# Altium PCB 云达诺CAT.1有磁阀控水表.PcbDoc (part 1 of 2)
Units mm, origin at the board's own origin, x right, y up, seen from the top; angles counter-clockwise.
Board outline 60.8 x 33.34 mm, 2 copper layers (Top Layer, Bottom Layer), stack 1.535 mm thick; 120 components, 89 nets, 436 pads, 260 vias.
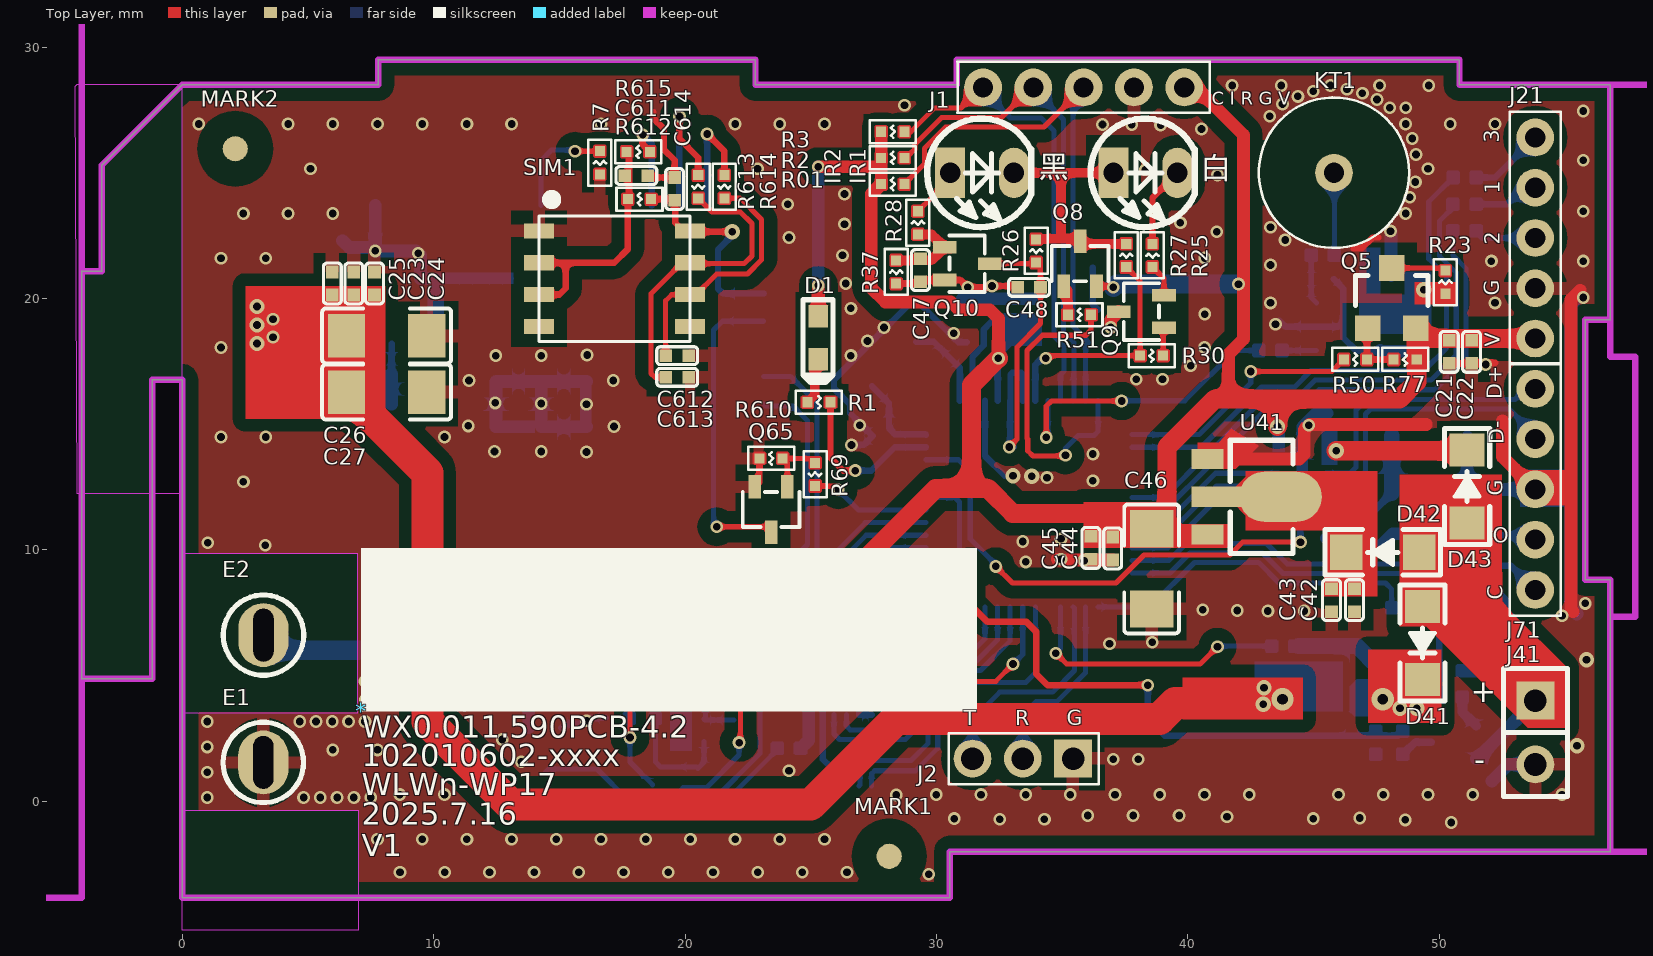
[diagram p0: Top Layer view]
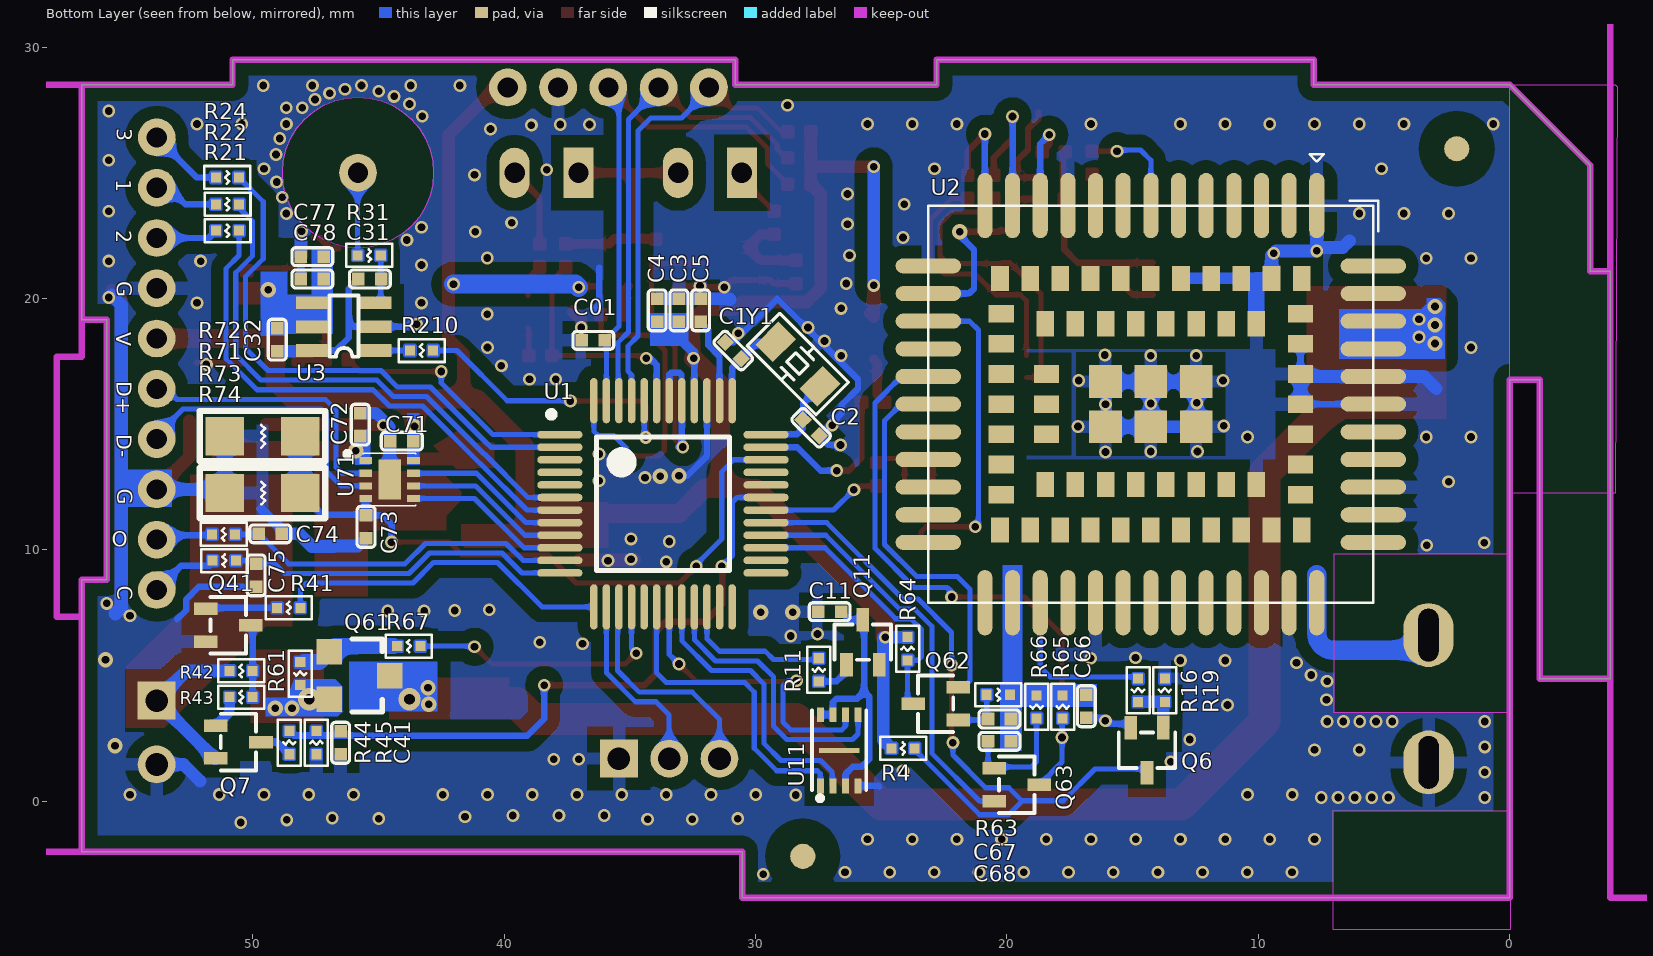
[diagram p1: Bottom Layer view, seen from below]
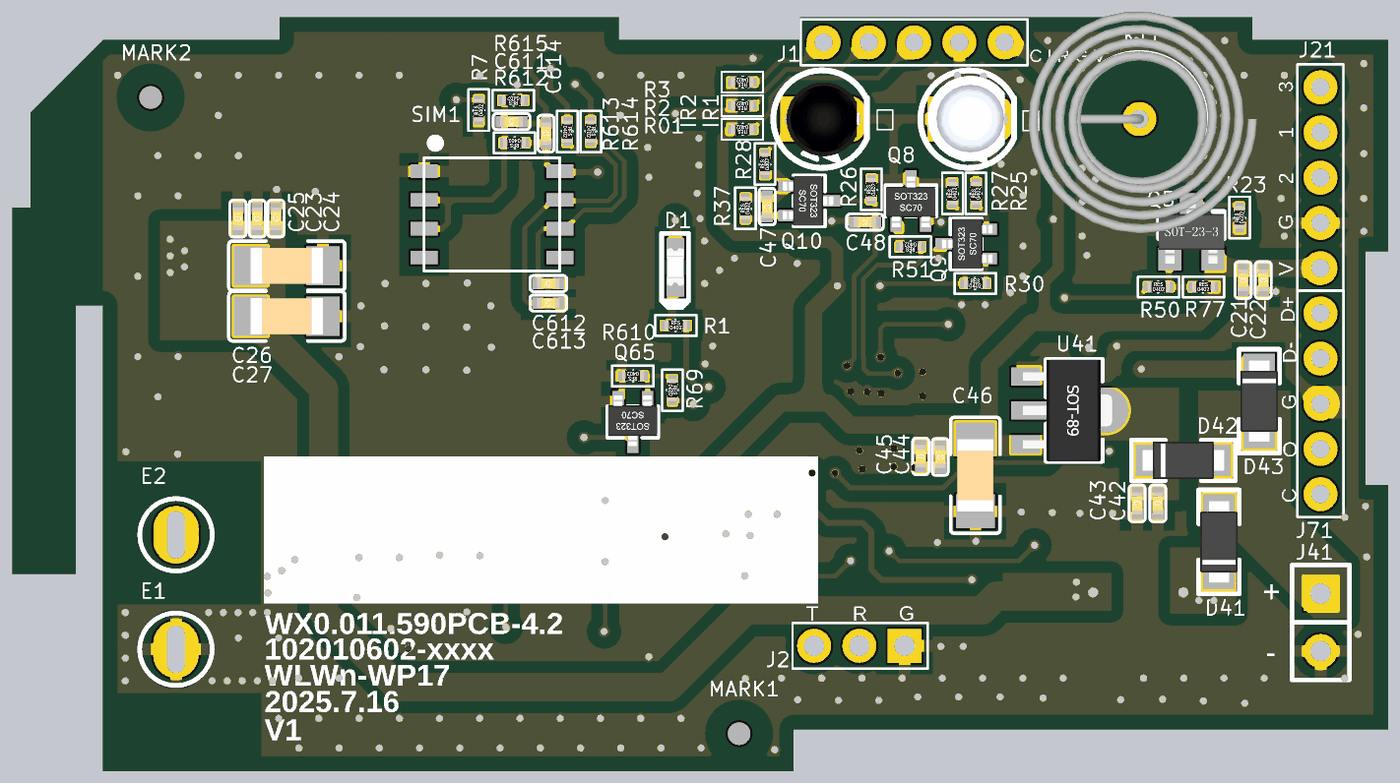
[diagram p3: 3D render of the assembled board from above, using the file's embedded part models]
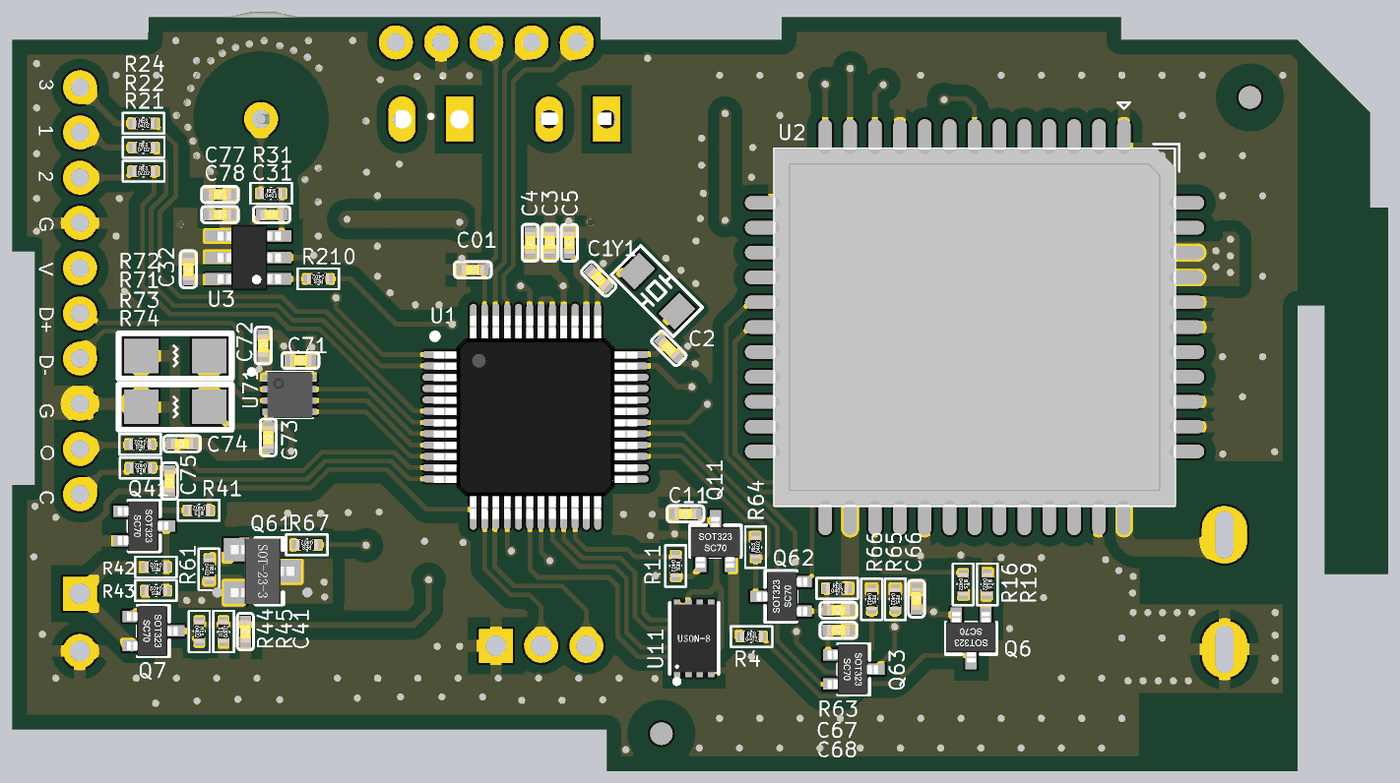
[diagram p4: 3D render of the assembled board from below, using the file's embedded part models]

## Layer stack, top to bottom
Top Solder: solder mask 0.0325, Solder Resist, Dk 3.5
Top Layer: signal copper 0.035
Dielectric 1: dielectric 1.465, FR-4, Dk 4.8
Bottom Layer: signal copper 0.035
Bottom Solder: solder mask 0.0325, Solder Resist, Dk 3.5

## Board outline
-4,4.877 -1.2,4.877 -1.2,16.764 0,16.764 0,-3.835 30.531,-3.835 30.531,-2 56.8,-2 56.8,8.814 55.8,8.814 55.8,19.152 56.8,19.152 56.8,28.5 50.8,28.5 50.8,29.5 30.8,29.5 30.8,28.5 22.8,28.5 22.8,29.5 7.8,29.5 7.8,28.5 0,28.5 -3.2,25.3 -3.2,21.082 -4,21.082

## Design rules (kind name [scope] priority, off if disabled: settings)
Clearance VIA-VIA [ISVIA vs ISVIA] p1: gap=0.508 ignorepadtopadclearanceinfootprint=FALSE except(0: Arc-Hole Track-Hole SMDPad-Hole THPad-Hole Via-Hole Fill-Hole Poly-Hole Region-Hole Text-Hole)
Clearance VIA-PAD [ISVIA vs ISPAD] p2: gap=0.381 ignorepadtopadclearanceinfootprint=FALSE except(0: Arc-Hole Track-Hole SMDPad-Hole THPad-Hole Via-Hole Fill-Hole Poly-Hole Region-Hole Text-Hole)
Clearance VIA-TRACK [ISVIA vs ISTRACK] p3: gap=0.381 ignorepadtopadclearanceinfootprint=FALSE except(0: Arc-Hole Track-Hole SMDPad-Hole THPad-Hole Via-Hole Fill-Hole Poly-Hole Region-Hole Text-Hole)
Clearance Polygon [InPolygon] p4: gap=0.508 ignorepadtopadclearanceinfootprint=FALSE except(0: Arc-Hole Track-Hole SMDPad-Hole THPad-Hole Via-Hole Fill-Hole Poly-Hole Region-Hole Text-Hole)
Clearance [All] p5: gap=0.178 ignorepadtopadclearanceinfootprint=FALSE except(0: Arc-Hole Track-Hole SMDPad-Hole THPad-Hole Via-Hole Fill-Hole Poly-Hole Region-Hole Text-Hole)
ComponentClearance [All] p1 off: gap=0.254 collisioncheckmode=3 verticalgap=0.254 showdistances=FALSE
DiffPairsRouting [All] p1: maxlimit=0.203 minlimit=0.203 mostfreqgap=0.203 toplayer_minwidth=0.22 toplayer_maxwidth=0.22 toplayer_prefwidth=0.22 bottomlayer_minwidth=0.22 bottomlayer_maxwidth=0.22 bottomlayer_prefwidth=0.22 maxuncoupledlength=12.7
FabricationTestPointUsage TestPointUsage [All] p1: valid=0 allowmultiple=FALSE
FabricationTestpoint Testpoint [(IsPad And (OnTopLayer Or OnBottomLayer))] p1: side=3 testpointundercomponent=TRUE minsize=1.016 maxsize=2.54 preferedsize=1.524 minholesize=0 maxholesize=1.016 preferedholesize=0.813 testpointgrid=0.025 allowsidetop=TRUE allowsidebottom=TRUE usegrid=TRUE gridtolerance=0
HoleSize [All] p1 off: absolutevalues=TRUE maxlimit=7.62 minlimit=0 maxpercent=80.000 minpercent=20.000
HoleToHoleClearance [All] p1 off: gap=0.254 allowstackedmicrovias=TRUE
LayerPairs [All] p1 off: enforce=TRUE
MatchedLengths DiffPair_MatchedLengths [InDifferentialPair ('NewDifferentialPair1')] p1: tolerance=25.4 checknetsindiffpair=TRUE checkdiffpairvsdiffpair=FALSE checkxsignals=FALSE checkothers=FALSE
MinimumSolderMaskSliver [All] p1 off: minsoldermaskwidth=0.254
NetAntennae [All] p1 off: netantennaetolerance=0
PlaneConnect [All] p1: planeconnectstyle=Relief reliefexpansion=0.508 reliefentries=4 reliefconductorwidth=0.508 reliefairgap=0.254
PolygonConnect [isvia] p1: connectstyle=Direct reliefconductorwidth=0.381 reliefentries=4 polygonreliefangle="90 Angle" airgapwidth=0.254
PolygonConnect PolygonConnect_1 [All] p2: connectstyle=Relief reliefconductorwidth=0.508 reliefentries=4 polygonreliefangle="90 Angle" airgapwidth=0.508
RoutingVias [All] p1: holewidth=0.254 width=0.508 viastyle="Through Hole" minholewidth=0.127 minwidth=0.127 maxholewidth=1.27 maxwidth=2.54
SilkToBoardRegionClearance [All] p1 off:
SilkToSilkClearance [All] p1 off: silktosilkclearance=0.254
SilkToSolderMaskClearance [IsPad] p1 off: minsilkscreentomaskgap=0.254 clearancetoexposedcopper=TRUE
SolderMaskExpansion [All] p1: expansion=0.102
Width [All] p1: maxlimit=7.62 minlimit=0.203 preferedwidth=0.203
17 further rules are at their usual default settings.

## Components (designator, comment, footprint, x,y, rotation, side; value= is the part's Value field where it differs from the comment)
* "Bar Code1" "BAR CODE1" 7.112,3.581 r0 top
C1 "22pF/50V" CAP0402 30.886,17.932 r45 bottom
C01 "100nF/50V" CAP0402 36.449,18.339 r0 bottom
C2 "22pF/50V" CAP0402 27.788,14.859 r225 bottom
C3 "100nF" CAP0402 33.045,19.533 r90 bottom
C4 "10UF" CAP0402 33.909,19.533 r90 bottom
C5 "100nF" CAP0402 32.182,19.533 r90 bottom
C11 "100nF/50V" CAP0402 27.051,7.544 r0 bottom
C21 "100nF/50V" CAP0402 50.394,17.882 r270 top
C22 "1uF/16V" CAP0402 51.283,17.882 r270 top
C23 "22pF/50V" CAP0402 6.823,20.599 r90 top
C24 "100pF/50V" CAP0402 7.645,20.599 r90 top
C25 "100nF/50V" CAP0402 5.969,20.599 r90 top
C26 "100uF/6.3V" GRM1206 8.128,18.517 r270 top
C27 "100uF/6.3V" GRM1206 8.128,16.281 r270 top
C31 "5pF" CAP0402 45.339,20.777 r0 bottom
C32 "100nF/50V" CAP0402 49.022,18.364 r90 bottom
C41 "10pF/50V" CAP0402 46.502,2.332 r270 bottom
C42 "10uF/10V" CAP0402 46.624,8.005 r270 top
C43 "100nF/50V" CAP0402 45.71,8.005 r270 top
C44 "10uF/10V" CAP0402 37.008,10.058 r270 top
C45 "100nF/50V" CAP0402 36.144,10.084 r270 top
C46 "100uF/10V" GRM1206 38.557,9.246 r180 top
C47 "10pF/50V" CAP0402 29.362,21.133 r270 top
C48 "100pF/50V" CAP0402 33.68,20.447 r180 top
C66 "1uF/16V" CAP0402 16.84,3.785 r270 bottom
C67 "1nF/50V" CAP0402 20.295,3.277 r0 bottom
C68 "1nF/50V" CAP0402 20.295,2.388 r180 bottom
C71 "100nF/50V" CAP0402 44.069,14.326 r0 bottom
C72 "100nF/50V" CAP0402 45.72,14.986 r270 bottom
C73 "10nF" CAP0402 45.491,10.922 r90 bottom
C74 "10nF" CAP0402 49.301,10.643 r0 bottom
C75 "10nF" CAP0402 49.86,8.992 r270 bottom
C77 "1uF/16V" CAP0402 47.625,21.666 r0 bottom
C78 "100pF/50V" CAP0402 47.625,20.777 r0 bottom
C611 "33pF/50V" CAP0402 18.059,24.892 r0 top
C612 "33pF/50V" CAP0402 19.685,17.729 r0 top
C613 "33pF/50V" CAP0402 19.685,16.866 r0 top
C614 "100nF/50V" CAP0402 19.583,24.359 r270 top
D1 "LED" LED-SMD-0603 25.3,19.29 r270 top locked
D41 "DS36W" SOD-123FL 49.327,7.823 r270 top
D42 "DS12W" SOD-123FL 49.276,9.906 r180 top
D43 "DS12W" SOD-123FL 51.105,10.998 r90 top
E1 "ANTENNA" ANT-1 3.226,1.549 r90 top
E2 "" ANT-1 3.231,6.613 r90 top
IR1 "AT203" IR_254_532_300 37.04,25 r90 top locked
IR2 "AT403" IR_254_532_300_RX 30.54,25 r90 top locked
J1 "SWD" J_DIP_2.0_1*05_H 39.853,28.397 r180 top
J2 "DEBUG" PIN254_1*3*WXHJ 35.433,1.702 r180 top
J21 "PIN254_1*5*1100S" J_DIP_2.0_1*05_H 53.813,18.409 r90 top locked
J41 "VBAT" PIN254_1*2*1200S 53.821,4.009 r270 top locked
J71 "PIN254_1*5*1100S" J_DIP_2.0_1*05_H 53.814,16.409 r270 top locked
KT1 "KEY" ANT-DIP 45.81,25.005 r0 top locked
MARK1 "" MARK 28.118,-2.184 r90 top
MARK2 "" MARK 2.108,25.959 r90 top
Q5 "UT3401ZG" SOT-23 48.108,20.015 r0 top
Q6 "NPNS-9013" SOT-323-3_L2.0-W1.3-P1.30-LS2.1-BR 14.427,2.032 r90 bottom
Q7 "PNPS-9012" SOT-323-3_L2.0-W1.3-P1.30-LS2.1-BR 50.566,2.357 r0 bottom
Q8 "PNPS-9012" SOT-323-3_L2.0-W1.3-P1.30-LS2.1-BR 35.712,21.387 r270 top
Q9 "PNPS-9012" SOT-323-3_L2.0-W1.3-P1.30-LS2.1-BR 38.151,19.482 r0 top
Q10 "NPNS-9013" SOT-323-3_L2.0-W1.3-P1.30-LS2.1-BR 31.217,21.387 r180 top
Q11 "PNPS-9012" SOT-323-3_L2.0-W1.3-P1.30-LS2.1-BR 25.73,6.333 r270 bottom
Q41 "NPNS-9013" SOT-323-3_L2.0-W1.3-P1.30-LS2.1-BR 50.973,7.006 r0 bottom
Q61 "UT3401ZG" SOT-23 45.745,5.004 r270 bottom
Q62 "NPNS-9013" SOT-323-3_L2.0-W1.3-P1.30-LS2.1-BR 22.835,3.886 r180 bottom
Q63 "NPNS-9013" SOT-323-3_L2.0-W1.3-P1.30-LS2.1-BR 19.609,0.66 r0 bottom
Q65 "NPNS-9013" SOT-323-3_L2.0-W1.3-P1.30-LS2.1-BR 23.419,11.608 r90 top
R1 "1K 5%" RES0402 25.324,15.875 r0 top
R01 "10K 5%" RES0402 28.26,24.552 r180 top
R2 "4.7K" RES0402 28.26,25.593 r180 top
R3 "4.7K" RES0402 28.26,26.635 r180 top
R4 "10K 5%" RES0402 24.13,2.108 r180 bottom
R7 "4.7K 5%" RES0402 16.612,25.4 r90 top
R11 "3K 5%" RES0402 27.483,5.232 r270 bottom
R16 "4.7K 5%" RES0402 14.783,4.42 r270 bottom
R19 "47K 5%" RES0402 13.716,4.42 r270 bottom
R21 "100R 5%" RES0402 51,22.701 r180 bottom
R22 "100R 5%" RES0402 51,23.749 r180 bottom
R23 "10R" RES0402 50.241,20.65 r90 top
R24 "100R 5%" RES0402 51.006,24.816 r180 bottom
R25 "100R 5%" RES0402 38.589,21.714 r90 top
R26 "20K 5%" RES0402 33.96,21.895 r90 top
R27 "20K 5%" RES0402 37.548,21.714 r90 top
R28 "20K 5%" RES0402 29.261,23.012 r90 top
R30 "3K 5%" RES0402 38.557,17.729 r0 top
R31 "1K/5%" RES0402 45.364,21.717 r180 bottom
R37 "47K 5%" RES0402 28.397,21.057 r90 top
R41 "4.7K 5%" RES0402 48.565,7.696 r0 bottom
R42 "10K 5%" RES0402 50.459,5.187 r0 bottom
R43 "10K 5%" RES0402 50.459,4.146 r0 bottom
R44 "20K 1%" RES0402 48.541,2.335 r270 bottom
R45 "10K 1%" RES0402 47.467,2.335 r90 bottom
R50 "200K 5%" RES0402 46.66,17.577 r0 top
R51 "3K 5%" RES0402 35.687,19.355 r180 top
R61 "2M 5%" RES0402 48.108,5.08 r270 bottom
R63 "4.7K 5%" RES0402 20.345,4.242 r180 bottom
R64 "4.7K 5%" RES0402 23.952,6.071 r90 bottom
R65 "4.7K/5%" RES0402 17.78,3.759 r270 bottom
R66 "4.7K 5%" RES0402 18.821,3.759 r270 bottom
R67 "200K 5%" RES0402 43.79,6.172 r0 bottom
R69 "4.7K 5%" RES0402 25.171,13.005 r270 top
R71 "1R/1%" RES1206 48.108,12.268 r0 bottom
R72 "1R/1%" RES1206 48.108,14.529 r0 bottom
R73 "100R" RES0402 51.156,10.617 r0 bottom
R74 "100R" RES0402 51.13,9.576 r0 bottom
R77 "2M 5%" RES0402 48.641,17.577 r0 top
R210 "10K 5%" RES0402 43.282,17.932 r0 bottom
R610 "47K 5%" RES0402 23.419,13.64 r180 top
R612 "10K 5%" RES0402 18.186,23.952 r180 top
R613 "22R 5%" RES0402 20.523,24.447 r270 top
R614 "22R 5%" RES0402 21.565,24.447 r270 top
R615 "22R 5%" RES0402 18.136,25.832 r180 top
SIM1 "SIMIC" SIMIC 20.193,18.288 r90 top
U1 "FM33LE025" LQFP48 33.68,11.836 r180 bottom
U2 "ML307R" MOD_ML307X_LGA109P 14.275,15.799 r270 bottom
U3 "TTP233H" SOT-23-6 45.11,17.932 r0 bottom
U11 "P25Q80H-SUH-IR" USON8-EP(2x3) 26.67,2.032 r180 bottom
U41 "CE6232A33P" SOT-89 41.681,12.116 r270 top
U71 "DRV8837DSGR" S-PWSON-N8 44.552,12.802 r180 bottom
Y1 "32.768K" SMD-3215_2P 27.432,16.51 r45 bottom

## Footprints (in the part's own frame and the unit in brackets; to place one, negate y for a bottom-side part, rotate by r counter-clockwise, add the part's x,y. Pads: shape width x height; smd on the part's side, far side on the other; paste and mask are expansions set on the pad)
ANT-1 [mm]
  oval 2.54x2 hole 0.8 slot 2.1 at 0 deg: 1(0,0)
  silkscreen extent -1.6,-1.6 1.6,1.6
ANT-DIP [mm]
  round 1.5 hole 0.8: 1(0,0)
  Keep-Out Layer pour cut-out: -3.001,0 -2.964,-0.47 -2.854,-0.928 -2.674,-1.363 -2.428,-1.765 -2.122,-2.123 -1.764,-2.429 -1.362,-2.675 -0.927,-2.855 -0.469,-2.965 0,-3.002 0,-3.002 0.47,-2.965 0.928,-2.855 1.363,-2.675 1.765,-2.429 2.123,-2.123 2.429,-1.765 2.675,-1.363 2.855,-0.928 2.965,-0.47 3.002,0 3.002,0 2.965,0.469 2.855,0.928 2.675,1.363 2.429,1.764 2.123,2.123 1.765,2.428 1.363,2.675 0.928,2.855 0.47,2.965 0,3.002 0,3.002 -0.469,2.965 -0.927,2.855 -1.362,2.675 -1.764,2.428 -2.122,2.123 -2.428,1.764 -2.674,1.363 -2.854,0.928 -2.964,0.469 -3.001,0
  silkscreen extent -2.99,-2.99 2.99,2.99, body extent -4.91,-5.05 5.2,4.76, height 20.5
"BAR CODE1" [mm]
  silkscreen extent 0,0 24.5,6.5
CAP0402 [mm]
  rect 0.5x0.5 smd: 1(-0.457,0) 2(0.457,0)
  silkscreen extent -0.81,-0.36 0.81,0.36, body extent -0.5,-0.25 0.5,0.25, height 0.5
GRM1206 [mm]
  rect 1.728x1.485 smd: 1(0,-1.593) 2(0,1.593)
  silkscreen extent -1.09,-2.56 1.09,2.56, body extent -0.8,-1.64 0.8,1.64, height 1.6
IR_254_532_300 [mm]
  rect 2x1.2 hole 0.813: 1(0,0)
  oval 2x1.2 hole 0.813: 2(0,-2.54)
  silkscreen extent -2.16,-3.23 2.16,0.91, body extent -1.87,-2.82 1.93,0.6, height 5.14
IR_254_532_300_RX [mm]
  rect 2x1.2 hole 0.813: 1(0,0)
  oval 2x1.2 hole 0.813: 2(0,-2.54)
  silkscreen extent -2.16,-3.23 2.16,0.91, body extent -1.65,-2.88 1.65,0.34, height 4.58
J_DIP_2.0_1*05_H [mm]
  round 1.5 hole 0.8: 1(0,0) 2(2,0) 3(4,0) 4(6,0) 5(8,0)
  silkscreen extent -1.02,-1.02 9.02,1.02
LED-SMD-0603 [mil]
  rect 35x31 smd: A(0,0) K(67,0)
  silkscreen extent -26,-24 104,23, body extent 0,-14 65,14, height 27
LQFP48 [mm]
  oval 1.8x0.3 smd: 1(-4.1,2.75) 2(-4.1,2.25) 3(-4.1,1.75) 4(-4.1,1.25) 5(-4.1,0.75) 6(-4.1,0.25) 7(-4.1,-0.25) 8(-4.1,-0.75) 9(-4.1,-1.25) 10(-4.1,-1.75) 11(-4.1,-2.25) 12(-4.1,-2.75) 25(4.1,-2.75) 26(4.1,-2.25) 27(4.1,-1.75) 28(4.1,-1.25) 29(4.1,-0.75) 30(4.1,-0.25) 31(4.1,0.25) 32(4.1,0.75) 33(4.1,1.25) 34(4.1,1.75) 35(4.1,2.25) 36(4.1,2.75)
  oval 0.3x1.8 smd: 13(-2.75,-4.1) 14(-2.25,-4.1) 15(-1.75,-4.1) 16(-1.25,-4.1) 17(-0.75,-4.1) 18(-0.25,-4.1) 19(0.25,-4.1) 20(0.75,-4.1) 21(1.25,-4.1) 22(1.75,-4.1) 23(2.25,-4.1) 24(2.75,-4.1) 37(2.75,4.1) 38(2.25,4.1) 39(1.75,4.1) 40(1.25,4.1) 41(0.75,4.1) 42(0.25,4.1) 43(-0.25,4.1) 44(-0.75,4.1) 45(-1.25,4.1) 46(-1.75,4.1) 47(-2.25,4.1) 48(-2.75,4.1)
  silkscreen extent -4.57,-2.65 2.65,3.68, body extent -4.5,-4.53 4.5,4.47, height 1.5
MARK [mm]
  round 1 smd: 0(0,0)
  round 1 smd far side: 1(0,0)
  Top Layer pour cut-out: -1.507,0 -1.478,-0.294 -1.393,-0.577 -1.253,-0.837 -1.066,-1.066 -0.837,-1.253 -0.577,-1.393 -0.294,-1.478 0,-1.507 0,-1.507 0.294,-1.478 0.577,-1.393 0.837,-1.253 1.066,-1.066 1.253,-0.837 1.393,-0.577 1.478,-0.294 1.507,0 1.507,0 1.478,0.294 1.393,0.577 1.253,0.837 1.066,1.066 0.837,1.253 0.577,1.393 0.294,1.478 0,1.507 0,1.507 -0.294,1.478 -0.577,1.393 -0.837,1.253 -1.066,1.066 -1.253,0.837 -1.393,0.577 -1.478,0.294 -1.507,0
  Bottom Layer pour cut-out: -1.507,0 -1.478,-0.294 -1.393,-0.577 -1.253,-0.837 -1.066,-1.066 -0.837,-1.253 -0.577,-1.393 -0.294,-1.478 0,-1.507 0,-1.507 0.294,-1.478 0.577,-1.393 0.837,-1.253 1.066,-1.066 1.253,-0.837 1.393,-0.577 1.478,-0.294 1.507,0 1.507,0 1.478,0.294 1.393,0.577 1.253,0.837 1.066,1.066 0.837,1.253 0.577,1.393 0.294,1.478 0,1.507 0,1.507 -0.294,1.478 -0.577,1.393 -0.837,1.253 -1.066,1.066 -1.253,0.837 -1.393,0.577 -1.478,0.294 -1.507,0
MOD_ML307X_LGA109P [mm]
  oval 2.6x0.6 smd: 1(-7.9,6.6) 2(-7.9,5.5) 3(-7.9,4.4) 4(-7.9,3.3) 5(-7.9,2.2) 6(-7.9,1.1) 7(-7.9,0) 8(-7.9,-1.1) 9(-7.9,-2.2) 10(-7.9,-3.3) 11(-7.9,-4.4) 12(-7.9,-5.5) 13(-7.9,-6.6) 23(7.9,-6.6) 24(7.9,-5.5) 25(7.9,-4.4) 26(7.9,-3.3) 27(7.9,-2.2) 28(7.9,-1.1) 29(7.9,0) 30(7.9,1.1) 31(7.9,2.2) 32(7.9,3.3) 33(7.9,4.4) 34(7.9,5.5) 35(7.9,6.6)
  oval 0.6x2.6 smd: 14(-4.4,-8.85) 15(-3.3,-8.85) 16(-2.2,-8.85) 17(-1.1,-8.85) 18(0,-8.85) 19(1.1,-8.85) 20(2.2,-8.85) 21(3.3,-8.85) 22(4.4,-8.85) 36(4.4,8.85) 37(3.3,8.85) 38(2.2,8.85) 39(1.1,8.85) 40(0,8.85) 41(-1.1,8.85) 42(-2.2,8.85) 43(-3.3,8.85) 44(-4.4,8.85) 95(-5.5,-8.85) 96(5.5,-8.85) 97(5.5,8.85) 98(-5.5,8.85)
  rect 1x0.7 smd: 45(-5,4.8) 46(-5,3.6) 47(-5,2.4) 48(-5,1.2) 49(-5,0) 50(-5,-1.2) 51(-5,-2.4) 52(-5,-3.6) 53(-5,-4.8) 59(5,-4.8) 60(5,-3.6) 61(5,-2.4) 62(5,-1.2) 63(5,0) 64(5,1.2) 65(5,2.4) 66(5,3.6) 67(5,4.8) 73(-3.2,4.2) 74(-3.2,3) 75(-3.2,1.8) 76(-3.2,0.6) 77(-3.2,-0.6) 78(-3.2,-1.8) 79(-3.2,-3) 80(-3.2,-4.2) 81(3.2,-4.2) 82(3.2,-3) 83(3.2,-1.8) 84(3.2,-0.6) 85(3.2,0.6) 86(3.2,1.8) 87(3.2,3) 88(3.2,4.2) 99(-5,6) 100(-5,-6) 103(5,-6) 104(5,6)
  rect 0.7x1 smd: 54(-2.4,-5.95) 55(-1.2,-5.95) 56(0,-5.95) 57(1.2,-5.95) 58(2.4,-5.95) 68(2.4,5.95) 69(1.2,5.95) 70(0,5.95) 71(-1.2,5.95) 72(-2.4,5.95) 101(-3.6,-5.95) 102(3.6,-5.95) 105(3.6,5.95) 106(-3.6,5.95) 107(-1.2,-4.15) 108(0,-4.15) 109(1.2,-4.15)
  rect 1.3x1.3 smd: 89(-0.9,1.8) 90(-0.9,0) 91(-0.9,-1.8) 92(0.9,-1.8) 93(0.9,0) 94(0.9,1.8)
  silkscreen extent -9.94,-8.85 7.9,9.05, body extent -7.9,-8.85 7.9,8.85, height 1.83
PIN254_1*2*1200S [mm]
  rect 1.5x1.5 hole 0.9: 1(0,0)
  round 1.5 hole 0.9: 2(2.54,0)
  silkscreen extent -1.27,-1.27 3.81,1.27
PIN254_1*3*WXHJ [mm]
  rect 1.5x1.5 hole 0.9: 1(0,0)
  round 1.5 hole 0.9: 2(2,0) 3(4,0)
  silkscreen extent -1.02,-1.02 4.95,1.02
RES0402 [mm]
  rect 0.4x0.4 smd: 1(-0.46,0) 2(0.46,0)
  Top Layer region: -0.72,0.21 -0.67,0.26 -0.25,0.26 -0.2,0.21 -0.2,-0.21 -0.25,-0.26 -0.67,-0.26 -0.72,-0.21 -0.72,0.21
  Top Layer region: 0.67,0.26 0.72,0.21 0.72,-0.21 0.67,-0.26 0.25,-0.26 0.2,-0.21 0.2,0.21 0.25,0.26
  silkscreen extent -0.91,-0.46 0.91,0.46, body extent -0.5,-0.25 0.5,0.25, height 0.35
RES1206 [mil]
  rect 60x60 smd: 1(0,0) 2(118.11,0)
  silkscreen extent -39,-39 157,39, body extent -28,-29 150,29, height 20
S-PWSON-N8 [mm]
  rect 0.5x0.28 smd: 1(-0.95,0.75) 2(-0.95,0.25) 3(-0.95,-0.25) 4(-0.95,-0.75) 5(0.95,-0.75) 6(0.95,-0.25) 7(0.95,0.25) 8(0.95,0.75)
  rect 0.9x1.6 smd: 9(0,0)
  silkscreen extent -1.76,-1.05 1.04,1.1, body extent -0.98,-1 1.02,1, height 0.77
SIMIC [mm]
  rect 0.6x1.2 smd: 1(4.405,6) 2(3.135,6) 3(1.865,6) 4(0.595,6) 5(0.595,0) 6(1.865,0) 7(3.135,0) 8(4.405,0)
  silkscreen extent 0,0 5.73,6, body extent 0,0 4.95,5.97, height 0.6
SMD-3215_2P [mm]
  rect 1x1.3 smd: 1(0,0) 2(2.5,0)
  silkscreen extent -0.69,-0.91 3.19,0.91, body extent -0.3,-0.99 2.9,0.99, height 0.7
SOD-123FL [mm]
  rect 1.3x1.4 smd: 1(0.074,0) 2(2.974,0)
  silkscreen extent -0.78,-0.9 3.82,0.9, body extent -0.28,-0.82 3.32,0.83, height 0.95
SOT-23 [mil]
  rect 40x40 smd: 1(-37.4,-47.24) 2(37.4,-47.24) 3(0,47.24)
  silkscreen extent -57,-12 57,35, body extent -57,-55 57,55, height 47
SOT-23-6 [mil]
  rect 50x20 smd: 1(0,0) 2(0,-37.4) 3(0,-74.8) 4(100,-74.8) 5(100,-37.4) 6(100,0)
  silkscreen extent 27,-86 72,10, body extent -7,-94 103,20, height 57
SOT-89 [mm]
  rect 0.8x1.27 smd: 1(-1.5,-0.9) 3(1.5,-0.9)
  oval 2x3.3 smd: 2(0,2)
  rect 0.8x2.54 smd: 2(0,-0.265)
  silkscreen extent -2.25,0 2.25,2.5, body extent -2.25,-1.02 2.25,2.92, height 1.4
SOT-323-3_L2.0-W1.3-P1.30-LS2.1-BR [mm]
  rect 0.936x0.5 smd: 1(0.898,-0.65) 2(0.898,0.65) 3(-0.898,0)
  silkscreen extent -0.7,-1.13 0.7,1.13, body extent -1.07,-1.1 1.17,1.1, height 1.1
USON8-EP(2x3) [mm]
  rect 0.28x0.585 smd: 1(-0.75,-1.418) 2(-0.25,-1.418) 3(0.25,-1.418) 4(0.75,-1.418) 5(0.75,1.418) 6(0.25,1.418) 7(-0.25,1.418) 8(-0.75,1.418)
  rect 1.6x0.2 smd: 9(0,0)
  silkscreen extent -1.08,-2 1.08,1.58, body extent -1,-1.5 1,1.5, height 0.53

## Part data
*: library part "AD_WXHJ_Bar Code_02", "条形码 ,填充，无需焊接器件"
C1 C2 C23: library part 101020103-0009, "22pF,50 V,±5%,0603,国巨,CC0603JRNPO9BN22"
C01 C67 C68: library part 101020103-0022, "102pF,50 V,±10%,0603,国巨,CC0603KRX7R9BB102"
C3 C4 C5 C74 C75: library part CC03JPO9_5P
C11 C21 C25 C32 C43 C45 C614: library part 101020103-0021, "104pF,50 V,±10%,0603,国巨,CC0603KRX7R9BB104"
C22 C66 C77: library part 101020103-0003, "105pF,16 V,±10%,0603,国巨,CC0603KRX7R7BB105"
C24 C48 C78: library part 101020103-0010, "101pf,50 V,±5%,0603,国巨,CC0603JRNP09BN101"
C26 C27: library part 101020101-0020, "100uF,6.3 V,±20%,1206,村田,GRM31CR60J107ME39L"
C31: library part 101020103-0028, "5P,50 V,±5%,0603,闵达,5P/50V，±5%，0603"
C41 C47: library part 101020103-0014, "10pF,50 V,±5%,0603,X7R,国巨,CC0603JRNPO9BN100"
C42 C44 C46: library part 101020103-0026, "106pF,10 V,±10%,0603,村田,GRM188R61A106KE47D"
C71 C72 C73: library part CC03K7R9_100N
C611 C612 C613: library part 101020103-0027, "33pF,50 V,±10%,0603,国巨,CC0603KRNPO9BN33"
D1: library part 101040102-0006, "红色0603,0603,贴片,红光,松涛,红色0603"
D41: library part 101040101-0055, "DS36W,SOD123-FL,3 A,42 V,60 V,浙江领晨科技有限公司,DS36W"
D42 D43: library part 101040101-0048, "DS12W,SOD-123FL,1 A,0.55 V,20 V,领晨科技,DS12W"
E1: library part 30, "无磁阀控NB-IOT水表外置天线焊盘"
E2: library part 1, "天线,5mm弹簧,电信"
IR1: library part 101040102-0010, "DIP-2,φ3,插件,红光,上海品观电子有限公司/可得,AT203"
IR2: library part 101040102-0011, "DIP-2,φ3,插件,红光,上海品观电子有限公司/可得,AT403-PD-01"
J1: library part PIN254_1*5*1100S
J2: library part SWD_3, "Connector"
J41: library part PIN254_1*2*1200S
MARK1 MARK2: library part 1, "标准Mark点,直径1mm,阻焊开窗3mm"
Q5 Q61: library part 101040201-0013, "UT3401ZG,P-MOS,SOT-23,UTC,UT3401ZG"
Q6 Q10 Q41 Q62 Q63 Q65: library part 101040201-0002, "9013,NPN,SOT-23,长电,S9013"
Q7 Q8 Q9 Q11: library part 101040201-0001, "9012,PNP,SOT-23,JCET;长电,S9012"
R1: library part 101010103-0008, "1K,±5%,1/10W,0603,国巨,RC0603JR-071KL"
R01 R7 R16 R41 R63 R64 R65 R66 R69: library part 101010103-0042, "4.7K±5%,1/10W,0603"
R2 R3: library part RC03J_1M
R4 R42 R43 R210 R612: library part 101010103-0003, "国巨,±5%,0603,,155 ℃,-55 ℃,RC0603JR-0710KL,无铅,200 ppm/℃,1/10W,,10K"
R11 R30 R51: library part 101010103-0006, "国巨,±5%,0603,,155 ℃,-55 ℃,RC0603JR-073KL,无铅,100 ppm/℃,1/10W,,3K"
R19 R37 R610: library part 101010103-0012, "47K,±5%,1/10W,0603,国巨,RC0603JR-0747KL"
R21 R22 R24: library part 101010103-0041, "100Ω,±1%,1/10W,0603,国巨股份有限公司,RC0603FR-07100RL"
R23: library part RES
R25: library part 101010103-0022, "100R,±5%,1/10W,0603,国巨,RC0603JR-07100RL"
R26 R27 R28: library part 101010103-0004, "国巨,±5%,0603,,155 ℃,-55 ℃,RC0603JR-0720KL,无铅,200 ppm/℃,1/10W,,20K"
R31 R71 R72 R73 R74: library part RC03J_1K
R44: library part 101010103-0048, "20K,±1%,1/10W,0603,国巨,RC0603FR-0720KL"
R45: library part 101010103-0052, "10K±1%,1/10W,0603"
R50 R67: library part 101010103-0034, "200K,±5%,1/10W,0603,国巨,RC0603JR-07200KL"
R61 R77: library part 101010103-0025, "国巨,±5%,0603,,155 ℃,-55 ℃,RC0603JR-072ML,含铅,100 ppm/℃,1/10W,,2M"
R613 R614 R615: library part 101010103-0009, "国巨,±5%,0603,,155 ℃,-55 ℃,RC0603JR-0722RL,无铅,200 ppm/℃,1/10W,,22欧"
SIM1: library part AD_XN_SIMIC_01, "SIMIC虚拟器件"
U1: library part FM33LE0x5
U2: library part 15, "集成电路,中国移动，ML307R"
U3: library part 09_TTP233H-HA6
U11: library part 101050101-0218, "P25Q80H-SUH-IR,SOP8208mil,普冉半导体（上海）股份有限公司,P25Q80H-SUH-IR"
U41: library part 1010503-0029, "CE6232-3.3,CE6232-3.3,SOT89-3,8V,1.8V,0.11V,3.3V,300mA,0.8uA,南京芯力微电子有限公司"
U71: library part 07_DRV8837DSGR
Y1: library part XTAL, "Crystal Oscillator"

## Via types
v1: diameter 0.508, hole 0.305, Top Layer to Bottom Layer, tented both sides, 241 vias
v2: diameter 0.61, hole 0.305, Top Layer to Bottom Layer, tented both sides, 17 vias
v3: diameter 0.889, hole 0.432, Top Layer to Bottom Layer, tented both sides, 2 vias

## Nets (pads, with @x,y where several pads share a name; then routed paths per layer and width w, separated by ;. In a path a pad name is that pad's centre, name@x,y a point inside that pad or via, vN(x,y) a via of type N, cw(c..) or ccw(c..) an arc to the next point about the centre after c; other vN are vias at no path point)
4G_RST: Q65.3 U2.15 | length 12.5
  Top Layer w0.203: v1(21.26,10.922) 23.207,10.922 Q65.3@23.419,10.71 Q65.3@23.419,10.465
  Bottom Layer w0.203: v1@21.133,10.922 21.133,18.745 21.486,19.099 U2.15@23.125,19.099
4G_RX: Q63.3 R65.2 U2.17 | length 24.4
  Top Layer w0.203: v1(17.805,2.54) 17.805,6.629 19.304,8.128 v1(22.2,8.128)
  Bottom Layer w0.203: R65.2@17.805,3.299 v1(17.805,2.54) 17.805,1.566 Q63.3@18.711,0.66 ; v1(22.2,8.128) 22.2,8.331 22.377,8.509 23.693,8.509 25.248,10.063 25.248,15.85 24.198,16.899 U2.17@23.125,16.899
4G_TX: Q62.2 U2.18 | length 15.3
  Bottom Layer w0.203: Q62.2@21.937,4.536 21.727,4.536 21.463,4.801 21.463,8.433 21.971,8.941 23.586,8.941 24.867,10.221 24.867,15.138 24.282,15.723 23.201,15.723 U2.18@23.125,15.799
ADC_BAT: C41.1 R44.1 R45.2 U1.31 | length 26.9
  Top Layer w0.254: v1(31.344,9.347) 31.318,9.322 31.318,7.849 32.029,7.137 33.579,7.137 33.96,6.756 33.96,5.08 34.417,4.623 v1(38.405,4.623)
  Bottom Layer w0.203: U1.31@29.58,12.086 30.738,12.086 30.912,11.913 30.912,9.779 v1(31.344,9.347)
  Bottom Layer w0.254: v1(38.405,4.623) 38.405,3.293 39.081,2.616 48.362,2.616 R44.1@48.541,2.795
ADC_EN: R41.1 U1.13 | length 13.6
  Bottom Layer w0.203: U1.13@36.43,7.736 38.496,7.736 40.259,9.5 42.814,9.5 43.626,8.687 47.854,8.687 48.105,8.436 R41.1@48.105,7.696
ADC_M: C73.2 R71.1 R72.1 U1.34 U71.4 | length 26.9
  Top Layer w0.203: v1(32.36,9.347) 33.02,8.687 37.135,8.687 38.252,9.804 41.67,9.804 42.178,10.312 v1(44.475,10.312)
  Bottom Layer w0.203: U1.34@29.58,13.586 30.864,13.586 31.344,13.106 31.344,10.439 v1@32.36,9.423
  Bottom Layer w0.254: v1(44.475,10.312) 44.475,11.024 44.831,11.379 C73.2@45.491,11.379 ; U71.4@45.502,12.052 45.517,12.037 45.517,11.405 47.244,11.405 R71.1@48.108,12.268
  Bottom Layer w0.635: R71.1@48.108,12.268 R72.1@48.108,14.529
ANT_MAIN: E2.1 U2.35 | length 8.5
  Bottom Layer w0.762: U2.35@7.675,9.017 7.675,6.677 cw(c7.01,6.677) 7.01,6.012 E2.1@3.831,6.012 ; E2.1@3.831,6.012 cw(c3.831,6.613) E2.1@3.231,6.613 ccw(c3.831,6.613) E2.1@3.831,6.012
CHECK: R24.2 U1.2 | length 21.6
  Bottom Layer w0.203: U1.2@37.78,14.086 40.515,14.086 40.623,14.194 40.636,14.194 42.926,16.485 44.247,16.485 44.896,17.134 49.392,17.134 50.292,18.034 50.292,20.868 49.581,21.579 49.581,23.85 R24.2@50.546,24.816
CLOSE: C75.1 R74.1 U1.12 | length 13.7
  Bottom Layer w0.203: U1.12@37.78,9.086 39.287,9.086 40.081,9.881 42.971,9.881 43.784,9.068 48.723,9.068 49.104,9.449 C75.1@49.86,9.449 ; C75.1@49.86,9.576 R74.1@50.67,9.576
COUNT_A: R21.2 U1.7 | length 21.1
  Bottom Layer w0.203: U1.7@37.78,11.586 39.093,11.586 40.939,13.432 40.952,13.432 43.242,15.723 44.562,15.723 45.212,16.372 49.824,16.372 51.054,17.602 51.054,21.2 50.54,21.714 R21.2@50.54,22.701
COUNT_B: R22.2 U1.6 | length 21.9
  Bottom Layer w0.203: U1.6@37.78,12.086 39.054,12.086 40.781,13.813 40.794,13.813 43.084,16.104 44.405,16.104 45.054,16.753 49.666,16.753 50.673,17.76 50.673,21.025 50.001,21.698 50.001,23.077 R22.2@50.54,23.616 ; R22.2@50.54,23.749 R22.2@50.54,23.616 ; R22.2@50.673,23.749 R22.2@50.54,23.616
CTR_F_VCC: R11.1 U1.22 | length 6.1
  Bottom Layer w0.203: R11.1@27.432,5.692 27.486,5.639 29.286,5.639 29.616,5.969 31.434,5.969 31.93,6.465 U1.22@31.93,7.736
DB_RXD: J2.2 U1.14 | length 7.5
  Bottom Layer w0.203: J2.2@33.433,1.702 33.433,3.436 33.96,3.962 34.778,3.962 35.93,5.115 U1.14@35.93,7.736
DB_TXD: J2.3 U1.15 | length 9
  Bottom Layer w0.203: J2.3@31.433,1.702 31.433,3.264 32.512,4.343 34.62,4.343 35.484,5.207 35.484,7.683 U1.15@35.43,7.736
DRV+: J71.1 U71.2 | length 11
  Bottom Layer w0.203: U71.2@45.502,13.052 46.447,13.052 46.685,13.29 46.685,15.564 47.112,15.991 53.015,15.991 53.433,16.409 J71.1@53.814,16.409
DRV-: J71.2 U71.3 | length 11.3
  Bottom Layer w0.203: U71.3@45.502,12.552 46.486,12.552 47.066,13.132 47.066,15.407 47.27,15.61 52.767,15.61 53.433,14.944 J71.2@53.433,14.409
EN_4G_RST: R69.2 U1.30 | length 4.8
  Top Layer w0.203: R69.2@25.171,12.545 25.936,12.545 v1(26.086,12.395)
  Bottom Layer w0.203: v1(26.086,12.395) 26.895,11.586 U1.30@29.58,11.586
FLASH_CLK: U1.19 U11.6 | length 12.9
  Top Layer w0.203: v1(28.372,4.801) 28.372,4.928 28.524,4.775 32.36,4.775 v1(33.045,5.461)
  Bottom Layer w0.203: U11.6@26.42,3.45 26.42,2.993 26.568,2.845 28.6,2.845 28.905,3.15 28.905,4.597 28.702,4.801 v1(28.372,4.801) ; v1@33.122,5.461 v1(33.045,5.461) 33.43,5.846 U1.19@33.43,7.736
FLASH_CS: U1.18 U11.1 | length 12.6
  Bottom Layer w0.203: U11.1@27.42,0.614 27.42,1.1 27.539,1.219 29.159,1.219 30.048,2.108 30.048,4.343 30.429,4.724 33.553,4.724 33.93,5.101 U1.18@33.93,7.736
FLASH_MISO: U1.20 U11.2 | length 11.4
  Bottom Layer w0.203: U11.2@26.92,0.614 26.949,0.644 26.949,1.168 27.407,1.626 28.981,1.626 29.667,2.311 29.667,4.674 30.201,5.207 31.75,5.207 32.93,6.388 U1.20@32.93,7.736
FLASH_MOSI: U1.21 U11.5 | length 11.5
  Bottom Layer w0.203: U11.5@25.92,3.45 25.92,2.68 26.137,2.464 28.758,2.464 29.286,2.992 29.286,4.953 29.921,5.588 31.592,5.588 32.43,6.427 U1.21@32.43,7.736
FLASH_VCC: C11.1 Q11.3 U11.3 U11.7 U11.8 | length 10.9
  Bottom Layer w0.254: Q11.3@25.679,7.417 25.679,4.369 ; Q11.3@25.73,7.231 26.281,7.231 C11.1@26.594,7.544 ; U11.3@26.42,0.614 26.42,1.088 26.137,1.372 25.781,1.372 25.475,1.677 25.475,4.165 25.679,4.369 ; U11.8@27.42,3.45 U11.7@26.92,3.45 U11.7@26.92,3.45 26.924,3.456 26.924,3.937 26.772,4.089 25.959,4.089 25.679,4.369